# Allegro board DPU_PoE_A1_Oct-13.brd (continued)
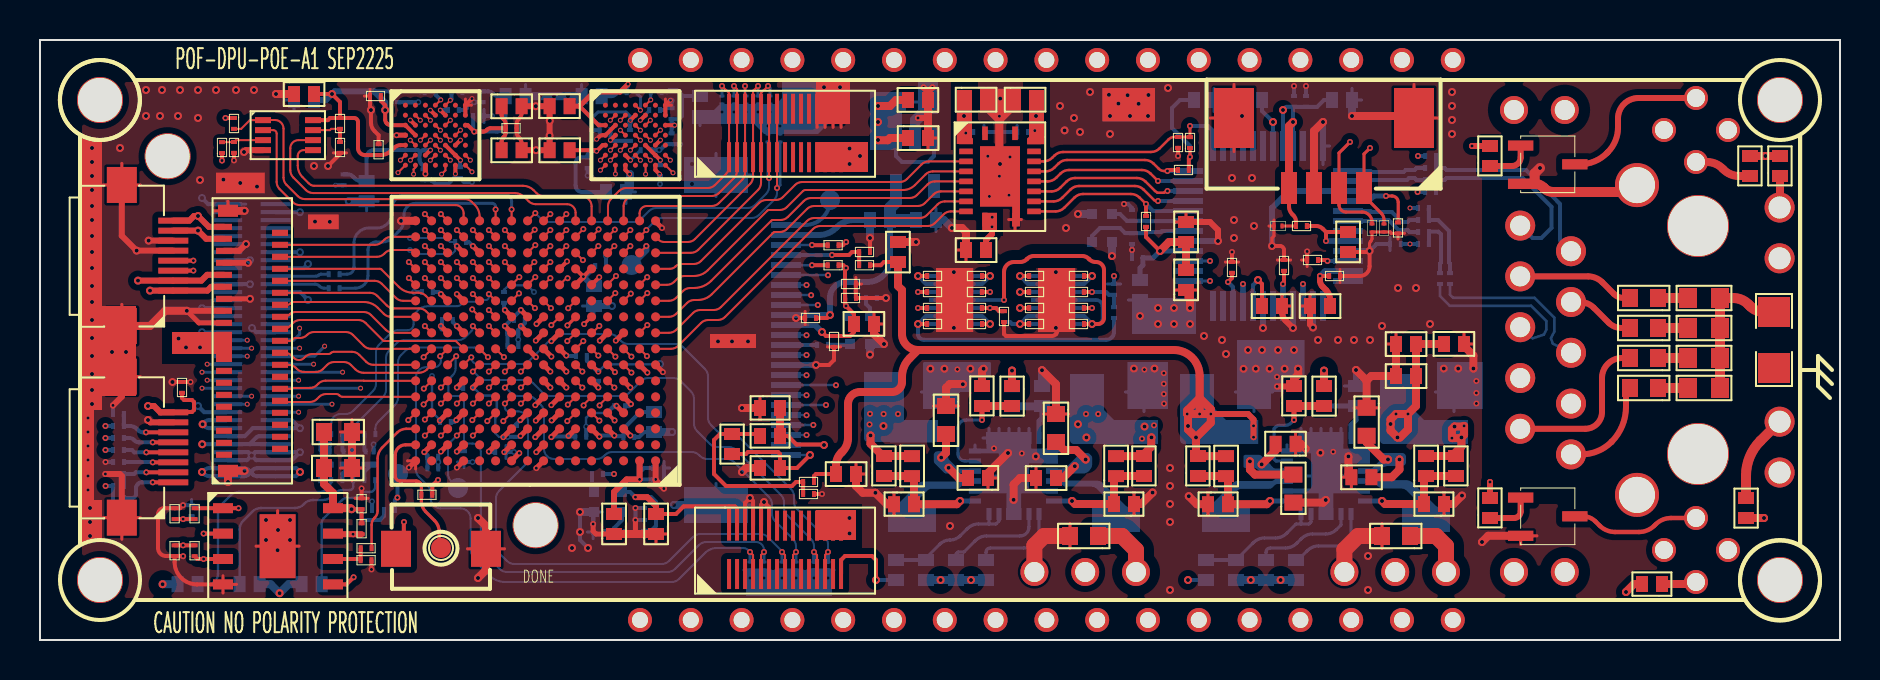
[diagram p0: board, top side]
## Routing (per net, layer and track width the routed paths; a pad name or vN(x,y) marks a point on that pad's centre or on a via; arc(x,y) is an arc through that point) (continued)
  TOP w0.102: v1(38.7,4.4) 38.85,4.25 J5.23 ; v1(21.64,13.42) U5.G12
  BOTTOM w0.102: v1(21.64,13.42) 21.68,13.42 21.95,13.15 arc(22.12,13.04) 22.31,13 24.29,13 arc(24.48,12.96) 24.65,12.85 25.15,12.35 arc(25.32,12.24) 25.51,12.2 29.09,12.2 arc(29.28,12.24) 29.45,12.35 30.05,12.95 arc(30.22,13.06) 30.41,13.1 31.67,13.1 arc(31.86,13.06) 32.03,12.95 32.55,12.43 arc(32.66,12.26) 32.7,12.07 32.7,10.81 arc(32.74,10.62) 32.85,10.45 33.5,9.8 arc(33.67,9.69) 33.86,9.65 34.44,9.65 arc(34.63,9.61) 34.8,9.5 37.05,7.25 arc(37.16,7.08) 37.2,6.89 37.2,6.61 arc(37.24,6.42) 37.35,6.25 38.55,5.05 arc(38.66,4.88) 38.7,4.69 v1(38.7,4.4)
  BOTTOM w0.2: D12.2 v1(38.7,4.4)
IO_G13: length 27.3
  TOP w0.102: U5.G13 21.55,14.13 v1(21.56,14.13) ; v1(39.4,4.4) 39.25,4.25 J5.25
  BOTTOM w0.102: v1(21.56,14.13) 21.58,14.12 21.58,14.09 arc(21.66,13.88) 21.87,13.8 24.09,13.8 arc(24.28,13.84) 24.45,13.95 25.65,15.15 arc(25.82,15.26) 26.01,15.3 28.49,15.3 arc(28.68,15.26) 28.85,15.15 29.05,14.95 arc(29.22,14.84) 29.41,14.8 31.79,14.8 arc(31.98,14.76) 32.15,14.65 33.25,13.55 arc(33.36,13.38) 33.4,13.19 33.4,11.11 arc(33.44,10.92) 33.55,10.75 33.85,10.45 arc(34.02,10.34) 34.21,10.3 34.59,10.3 arc(34.78,10.26) 34.95,10.15 37.55,7.55 arc(37.66,7.38) 37.7,7.19 37.7,6.91 arc(37.74,6.72) 37.85,6.55 39.25,5.15 arc(39.36,4.98) 39.4,4.79 v1(39.4,4.4)
  BOTTOM w0.2: D11.2 v1(39.4,4.4)
IO_G14: length 28.8
  TOP w0.102: v1(36.2,4.4) 36.05,4.25 J5.9 ; U5.G14 v1(20.81,14.19)
  BOTTOM w0.102: v1(20.81,14.19) 20.78,14.16 20.78,13.59 arc(20.74,13.4) 20.63,13.23 20.57,13.17 arc(20.46,13) 20.42,12.81 20.42,12.38 arc(20.47,12.25) 20.6,12.2 21.04,12.2 arc(21.1,12.19) 21.14,12.16 21.16,12.14 arc(21.19,12.1) 21.2,12.04 21.2,10.01 arc(21.26,9.88) 21.39,9.82 21.63,9.82 arc(21.92,9.7) 22.04,9.41 22.04,4.71 arc(22.08,4.52) 22.19,4.35 22.99,3.55 arc(23.16,3.44) 23.35,3.4 31.39,3.4 arc(31.58,3.44) 31.75,3.55 32.95,4.75 arc(33.12,4.86) 33.31,4.9 35.8,4.9 arc(36.08,4.78) 36.2,4.5 v1(36.2,4.4)
  BOTTOM w0.15: D15.2 v1(36.2,4.4)
IO_H14: length 30.1
  TOP w0.102: v1(20.01,14.19) U5.H14 ; J5.7 35.65,4.25 v1(35.5,4.4)
  BOTTOM w0.102: v1(35.5,4.4) 35.39,4.51 arc(35.29,4.57) 35.17,4.6 33.78,4.6 arc(33.67,4.59) 33.57,4.55 33.43,4.49 arc(33.36,4.44) 33.29,4.39 31.95,3.05 arc(31.78,2.94) 31.59,2.9 23.25,2.9 arc(22.83,2.98) 22.48,3.22 21.85,3.85 arc(21.61,4.2) 21.53,4.62 21.53,6.07 arc(21.38,6.43) 21.02,6.58 20.02,6.58 arc(19.68,6.72) 19.54,7.06 19.54,7.35 arc(19.5,7.54) 19.39,7.71 18.95,8.15 arc(18.84,8.32) 18.8,8.51 18.8,13.13 arc(18.95,13.49) 19.31,13.64 19.73,13.64 arc(19.95,13.73) 20.04,13.95 20.04,14.16 v1(20.01,14.19)
  BOTTOM w0.15: D16.2 v1(35.5,4.4)
IO_LED_1: length 13.1
  TOP w0.102: v1(22.44,17.3) U5.L11
  BOTTOM w0.102: v1(22.44,17.3) 22.44,17.14 arc(22.4,17.04) 22.3,17 22.1,17 arc(21.95,16.94) 21.79,16.91 21.35,16.91 arc(21.21,16.89) 21.1,16.81 21.08,16.79 arc(20.97,16.72) 20.83,16.69 19.4,16.69 arc(18.89,16.48) 18.68,15.97 18.68,15.79 arc(18.59,15.58) 18.38,15.49 17.89,15.49 arc(17.7,15.45) 17.53,15.34 16.95,14.76 arc(16.84,14.59) 16.8,14.4 16.8,12.81 arc(16.76,12.62) 16.65,12.45 15.65,11.45 arc(15.48,11.34) 15.29,11.3 15.02,11.3 arc(14.7,11.17) 14.56,10.84 R70.1
IO_LED_2: length 10.1
  TOP w0.102: U5.J12 v1(21.64,15.7)
  BOTTOM w0.102: R69.1 15.66,10.49 arc(15.7,10.65) 15.79,10.79 17.15,12.15 arc(17.26,12.32) 17.3,12.51 17.3,14.1 arc(17.34,14.29) 17.45,14.46 17.83,14.84 arc(18,14.95) 18.19,14.99 18.91,14.99 18.91,14.99 20.9,14.99 arc(21.09,15.03) 21.26,15.14 21.59,15.47 arc(21.63,15.53) 21.64,15.6 v1(21.64,15.7)
IO_LED_3: length 9.7
  TOP w0.102: v1(22.39,14.14) U5.H12
  BOTTOM w0.102: R68.1 16.77,10.55 arc(16.8,10.75) 16.91,10.91 17.75,11.75 arc(17.86,11.92) 17.9,12.11 17.9,13.88 arc(17.94,14.08) 18.05,14.24 18.3,14.5 arc(18.49,14.59) 18.7,14.62 21.71,14.62 arc(21.9,14.58) 22.07,14.47 v1(22.39,14.14)
IO_P1: length 12.3
  TOP w0.102: U5.P1 32.55,19.36 arc(32.74,19.4) 32.91,19.51 35.9,22.5 arc(36.01,22.67) 36.05,22.86 J1.9 J1.10 36.05,27.35 v1(36.4,27.7)
  BOTTOM w0.15: v1(36.4,27.7) 36.5,27.6 D4.2
IO_R1: length 11.5
  TOP w0.102: 30.78,20.16 30.92,20.02 arc(31.05,19.93) 31.21,19.9 32.39,19.9 arc(32.58,19.94) 32.75,20.05 35.5,22.8 arc(35.61,22.97) 35.65,23.16 J1.7 J1.8 35.65,27.45 v1(35.9,27.7)
  BOTTOM w0.15: D5.2 v1(35.9,27.7)
IO_R2: length 14.5
  TOP w0.102: v1(36.85,22.6) J1.13 J1.14 ; v1(30.32,20.5) 29.98,20.16
  BOTTOM w0.102: v1(36.85,22.6) 36.85,22.36 arc(36.81,22.17) 36.7,22 35.95,21.25 arc(35.78,21.14) 35.59,21.1 31.11,21.1 arc(30.92,21.06) 30.75,20.95 30.32,20.52 v1(30.32,20.5)
  BOTTOM w0.15: D9.2 37,22.75 v1(36.85,22.6)
  BOTTOM w0.2: 30.32,20.46 v1(30.32,20.5)
IO_T2: length 11.5
  TOP w0.102: v1(35.25,27.7) J1.6 J1.5 35.25,23.36 arc(35.21,23.17) 35.1,23 33.95,21.85 arc(33.78,21.74) 33.59,21.7 30.34,21.7 arc(30.09,21.59) 29.98,21.34 U5.T2
  TOP w0.12: 29.98,20.92 U5.T2
  BOTTOM w0.15: D6.2 35.25,27.25 v1(35.25,27.7)
IO_T3: length 12.1
  TOP w0.102: U5.T3 29.18,21.69 arc(29.33,22.05) 29.69,22.2 33.59,22.2 arc(33.78,22.24) 33.95,22.35 34.7,23.1 arc(34.81,23.27) 34.85,23.46 J1.3 J1.4 34.85,27.55 v1(34.7,27.7)
  TOP w0.12: 29.18,20.92 U5.T3
  BOTTOM w0.15: D7.2 v1(34.7,27.7)
IO_T4: length 12.5
  TOP w0.102: v1(34.1,27.7) 34.45,27.35 J1.2 J1.1 34.45,23.66 arc(34.41,23.47) 34.3,23.3 33.75,22.75 arc(33.58,22.64) 33.39,22.6 29.31,22.6 arc(29.12,22.56) 28.95,22.45 28.55,22.05 arc(28.44,21.88) 28.4,21.69 28.4,20.98 U5.T4
  TOP w0.12: 28.38,20.92 U5.T4
  BOTTOM w0.15: D8.2 v1(34.1,27.7)
IO_T9: length 18.9
  TOP w0.102: v1(24.77,21.34) U5.T9 ; v1(36.45,23.1) J1.11 J1.12
  BOTTOM w0.102: v1(24.77,21.34) 25.06,21.05 arc(25.23,20.94) 25.42,20.9 29.69,20.9 arc(29.88,20.94) 30.05,21.05 30.45,21.45 arc(30.62,21.56) 30.81,21.6 35.39,21.6 arc(35.58,21.64) 35.75,21.75 36.3,22.3 arc(36.41,22.47) 36.45,22.66 v1(36.45,23.1)
  BOTTOM w0.15: D10.2 36.4,23.15 v1(36.45,23.1)
IR_1V8: length 62.4
  TOP w0.2: C23.2 v3(49,18.2)
  VCC-4 w0.3: v3(8.11,9.79) 10.09,9.79 arc(10.39,9.73) 10.63,9.57 10.68,9.52 arc(10.92,9.36) 11.22,9.3 14.18,9.3 arc(14.75,9.19) 15.24,8.86 16.36,7.74 arc(16.69,7.25) 16.8,6.68 16.8,6.32 arc(16.91,5.75) 17.24,5.26 18.66,3.84 arc(19.15,3.51) 19.72,3.4 29.91,3.4 arc(30.48,3.51) 30.97,3.84 32.79,5.66 arc(33.27,5.99) 33.85,6.1 36.88,6.1 arc(37.45,6.21) 37.94,6.54 39.96,8.56 arc(40.29,9.05) 40.4,9.62 40.4,10.98 arc(40.51,11.55) 40.84,12.04 43.06,14.26 arc(43.55,14.59) 44.12,14.7 49.3,14.7 arc(49.72,14.88) 49.9,15.3 U9.13 arc(49.78,18.08) 49.5,18.2 v3(49,18.2)
  BOTTOM w0.2: 10.48,9.79 J8.10 ; 10.48,9.79 J8.9 v3(8.11,9.79) ; 10.48,9.79 10.82,10.13 arc(10.89,10.17) 10.96,10.19 J8.12 ; U9.14 v3(49,18.2) 49.4,17.8 U9.13
IR_1V8_EN: length 3.1
  TOP w0.2: R16.2 v1(52.6,17.4)
  BOTTOM w0.2: R61.2 C105.2 53.44,17.26 53.3,17.4 v1(52.6,17.4) U9.3
IR_3V3: length 69.4
  TOP w0.2: C38.2 v3(43.9,15.8)
  VCC-4 w0.3: v3(8.13,10.79) 10.76,10.79 arc(10.99,10.74) 11.18,10.62 11.23,10.57 arc(11.42,10.45) 11.65,10.4 15.38,10.4 arc(15.95,10.29) 16.44,9.96 19.26,7.14 arc(19.75,6.81) 20.32,6.7 21.38,6.7 arc(21.95,6.81) 22.44,7.14 23.06,7.76 arc(23.55,8.09) 24.12,8.2 25.68,8.2 arc(26.25,8.31) 26.74,8.64 26.96,8.86 arc(27.45,9.19) 28.02,9.3 35.4,9.3 arc(36.46,9.74) 36.9,10.8 36.9,19.9 arc(37.19,20.61) 37.9,20.9 42.1,20.9 arc(42.49,20.74) 42.65,20.35 42.65,18.44 arc(42.7,18.17) 42.85,17.95 42.9,17.9 arc(43.05,17.68) 43.1,17.41 43.1,16.2 arc(43.22,15.92) 43.5,15.8 v3(43.9,15.8)
  BOTTOM w0.2: R61.1 53.7,15.4 arc(53.59,15.12) 53.31,15.01 44.19,15.01 arc(43.98,15.09) 43.9,15.3 v3(43.9,15.8) ; U10.9 44.3,16.2 v3(43.9,15.8) ; J8.13 8.45,10.59 arc(8.34,10.61) 8.24,10.68 v3(8.13,10.79) 8.24,10.9 arc(8.34,10.97) 8.45,10.99 J8.15 ; U10.8 v3(43.9,15.8)
IR_3V3_EN: length 2.8
  TOP w0.2: R18.2 v1(47.5,16.6) 47.8,16.6 47.96,16.44 C35.2
  BOTTOM w0.2: C35.2 47.96,16.44 47.8,16.6 v1(47.5,16.6) U10.5
IR_5V0: length 68.2
  TOP w0.2: C40.2 v3(49,15.8)
  SIG-3 w0.4: v3(49,15.8) 49,15.2 arc(48.85,14.85) 48.5,14.7 44.83,14.7 arc(44.06,14.55) 43.41,14.11 43.35,14.05 arc(43.08,13.4) 43.35,12.75 43.85,12.25 arc(44.18,11.75) 44.3,11.17 44.3,10.5 arc(43.77,9.23) 42.5,8.7 41.71,8.7 arc(41.05,8.57) 40.5,8.2 39.99,7.69 arc(39.34,7.25) 38.57,7.1 34.33,7.1 arc(33.56,6.95) 32.91,6.51 31.79,5.39 arc(31.14,4.95) 30.37,4.8 29.4,4.8 arc(28.83,5.03) 28.6,5.6 28.6,5.75 arc(27.91,7.41) 26.25,8.1 24.63,8.1 arc(23.86,7.95) 23.21,7.51 21.09,5.39 arc(20.44,4.95) 19.67,4.8 18.53,4.8 arc(17.11,5.39) 16.52,6.81 16.52,7.07 arc(16.13,8.01) 15.19,8.4 v3(13,8.4) v3(8.1,8.4)
  BOTTOM w0.2: R62.1 48.5,15.9 48.6,15.8 v3(49,15.8) ; 10.53,8.39 10.42,8.5 arc(10.32,8.57) 10.21,8.59 J8.3 8.45,8.59 arc(8.34,8.57) 8.24,8.5 8.14,8.4 8.12,8.4 ; 10.53,8.39 10.64,8.28 arc(10.74,8.21) 10.85,8.19 J8.2 12.79,8.19 v3(13,8.4) 12.81,8.59 J8.4 10.85,8.59 arc(10.74,8.57) 10.64,8.5 10.53,8.39 ; 10.53,8.39 10.42,8.28 arc(10.32,8.21) 10.21,8.19 J8.1 8.45,8.19 arc(8.34,8.21) 8.24,8.28 8.12,8.4 ; 8.12,8.4 v3(8.1,8.4) ; v3(49,15.8) U9.8 ; v3(49,15.8) 49.4,16.2 U9.9
IR_D0: length 14.4
  TOP w0.102: v1(19.18,11.78) 19.56,12.16 U5.E15
  SIG-3 w0.102: v2(12.93,11.39) 12.93,10.93 arc(12.95,10.85) 12.99,10.78 13,10.77 arc(13.11,10.73) 13.21,10.77 13.22,10.78 arc(13.26,10.85) 13.28,10.93 13.41,11.06 13.53,11.06 13.63,10.96 13.63,10.84 arc(13.66,10.77) 13.73,10.74 13.93,10.74 arc(14,10.77) 14.03,10.84 14.03,10.95 arc(14.05,11.03) 14.09,11.1 14.21,11.1 14.38,10.93 14.38,10.84 arc(14.41,10.77) 14.48,10.74 14.68,10.74 arc(14.75,10.77) 14.78,10.84 14.78,11.09 14.8,11.11 15.01,11.11 15.08,11.04 15.08,10.93 arc(15.1,10.85) 15.14,10.78 15.18,10.74 arc(15.28,10.7) 15.38,10.74 15.4,10.76 arc(15.46,10.85) 15.48,10.95 15.48,11.09 15.5,11.11 15.78,11.11 15.83,11.06 15.83,10.79 15.9,10.72 16.11,10.72 16.35,10.96 16.42,10.96 16.53,10.85 16.53,10.81 16.6,10.74 16.93,10.74 arc(17.04,10.78) 17.08,10.89 17.08,11.11 17.11,11.25 17.23,11.37 17.35,11.37 17.48,11.24 arc(17.58,11.2) 17.68,11.24 17.75,11.31 arc(17.79,11.41) 17.75,11.52 17.65,11.62 arc(17.62,11.69) 17.65,11.76 17.98,12.09 arc(18.09,12.16) 18.22,12.19 18.23,12.19 arc(18.34,12.15) 18.38,12.04 18.38,11.79 18.45,11.72 18.63,11.72 arc(18.7,11.75) 18.73,11.82 18.73,12.04 arc(18.77,12.15) 18.88,12.19 19.45,12.19 arc(19.57,12.17) 19.67,12.1 arc(19.74,11.94) 19.67,11.78 19.58,11.69 arc(19.5,11.64) 19.4,11.62 19.34,11.62 v1(19.18,11.78)
  BOTTOM w0.15: J8.18 v2(12.93,11.39)
IR_D1: length 15.1
  TOP w0.102: v1(21.64,11.82) U5.E12
  SIG-3 w0.102: v2(10.36,11.79) 10.58,11.79 arc(10.83,11.69) 10.93,11.44 10.93,10.61 arc(11.08,10.25) 11.44,10.1 17.89,10.1 arc(18.08,10.14) 18.25,10.25 18.45,10.45 arc(18.62,10.56) 18.81,10.6 21,10.6 arc(21.21,10.69) 21.3,10.9 21.3,11.27 arc(21.34,11.46) 21.45,11.63 v1(21.64,11.82)
  BOTTOM w0.15: J8.19 v2(10.36,11.79)
IR_D2: length 15.3
  TOP w0.102: v1(24.04,12.62) U5.F9
  SIG-3 w0.102: v1(24.04,12.62) 24.04,12.6 23.72,12.27 arc(23.58,12.21) 23.44,12.19 22.98,12.19 arc(22.87,12.15) 22.83,12.04 22.83,11.62 arc(22.81,11.5) 22.74,11.4 22.73,11.39 arc(22.45,11.28) 22.18,11.39 22.12,11.45 arc(22.09,11.49) 22.08,11.55 22.08,11.89 arc(21.99,12.1) 21.78,12.19 20.58,12.19 arc(20.47,12.23) 20.43,12.34 20.43,12.79 arc(20.37,12.94) 20.22,13 18.14,13 arc(17.86,12.95) 17.63,12.79 16.78,11.94 arc(16.61,11.83) 16.42,11.79 v2(14.6,11.79)
  BOTTOM w0.15: J8.20 v2(14.6,11.79)
IR_D3: length 15
  TOP w0.102: v1(20.84,11.82) U5.E13
  SIG-3 w0.102: v1(20.84,11.82) 20.57,11.55 arc(20.4,11.44) 20.21,11.4 18.51,11.4 arc(18.32,11.36) 18.15,11.25 17.45,10.55 arc(17.28,10.44) 17.09,10.4 12.59,10.4 arc(12.3,10.52) 12.18,10.81 12.18,11.03 arc(12.12,11.18) 11.97,11.24 11.94,11.24 arc(11.79,11.18) 11.73,11.03 11.73,10.7 arc(11.67,10.55) 11.52,10.49 11.49,10.49 arc(11.34,10.55) 11.28,10.7 11.28,11.69 arc(11.13,12.04) 10.78,12.19 v2(10.58,12.19)
  BOTTOM w0.15: J8.21 v2(10.58,12.19)
IR_D4: length 14.9
  TOP w0.102: U5.G10 v1(23.24,13.42)
  SIG-3 w0.102: v2(12.93,12.19) 13.83,12.19 arc(13.97,12.22) 14.09,12.3 14.13,12.34 arc(14.21,12.37) 14.29,12.34 14.44,12.19 14.59,12.19 14.74,12.34 arc(14.82,12.37) 14.9,12.34 15.05,12.19 arc(15.13,12.16) 15.2,12.19 15.35,12.34 arc(15.43,12.37) 15.51,12.34 15.66,12.19 15.81,12.09 16.13,12.09 16.28,12.19 16.3,12.21 16.43,12.21 16.48,12.17 16.58,12.17 16.69,12.28 16.69,12.38 16.65,12.43 16.65,12.5 arc(16.66,12.55) 16.68,12.59 16.7,12.61 arc(16.74,12.64) 16.79,12.65 16.86,12.65 16.91,12.6 17.01,12.6 17.12,12.71 17.12,12.82 17.08,12.86 17.08,12.99 arc(17.14,13.13) 17.28,13.19 17.5,13.19 arc(17.54,13.2) 17.59,13.23 17.64,13.28 17.64,13.35 17.69,13.4 arc(17.73,13.43) 17.78,13.44 17.8,13.44 arc(17.85,13.43) 17.89,13.4 17.94,13.35 17.94,13.28 17.98,13.24 18.14,13.24 18.3,13.4 arc(18.34,13.43) 18.39,13.44 18.41,13.44 arc(18.46,13.43) 18.5,13.4 18.55,13.35 18.55,13.28 18.59,13.24 18.75,13.24 18.91,13.4 arc(18.95,13.43) 19,13.44 19.02,13.44 arc(19.07,13.43) 19.11,13.4 19.16,13.35 19.16,13.28 19.2,13.24 19.36,13.24 19.52,13.4 arc(19.56,13.43) 19.61,13.44 19.63,13.44 arc(19.68,13.43) 19.72,13.4 19.77,13.35 19.77,13.28 19.81,13.24 19.97,13.24 20.13,13.4 arc(20.17,13.43) 20.22,13.44 20.24,13.44 arc(20.29,13.43) 20.33,13.4 20.38,13.35 20.38,13.33 20.52,13.19 20.54,13.19 arc(20.59,13.2) 20.63,13.23 20.69,13.28 20.69,13.35 20.74,13.4 arc(20.78,13.43) 20.83,13.44 20.85,13.44 arc(20.9,13.43) 20.94,13.4 20.99,13.35 20.99,13.28 21.08,13.19 21.18,13.19 21.29,13.08 arc(21.38,13.02) 21.49,13 22.66,13 arc(22.85,13.04) 23,13.14 23.24,13.38 v1(23.24,13.42)
  BOTTOM w0.15: J8.22 v2(12.93,12.19)
IR_D5: length 16
  TOP w0.102: U5.F15 v1(19.19,12.57)
  SIG-3 w0.102: v1(19.19,12.57) 19.16,12.6 18.35,12.6 arc(18.06,12.54) 17.82,12.38 17.03,11.59 arc(16.84,11.46) 16.61,11.41 13.67,11.41 13.33,11.52 13.09,11.77 12.97,11.77 12.82,11.79 12.09,11.79 arc(11.9,11.83) 11.73,11.94 11.23,12.44 arc(11.06,12.55) 10.87,12.59 10.33,12.59 arc(10.12,12.5) 10.03,12.29 10.03,11.44 arc(10,11.37) 9.93,11.34 8.78,11.34 arc(8.71,11.37) 8.68,11.44 8.68,12.49 arc(8.65,12.56) 8.58,12.59 v2(8.1,12.59)
  BOTTOM w0.15: J8.23 v2(8.1,12.59)
IR_D6: length 15.4
  TOP w0.102: v1(24.04,11.82) U5.E9
  SIG-3 w0.102: v2(16.03,12.59) 16.08,12.59 17.08,13.59 arc(17.25,13.7) 17.44,13.74 23.46,13.74 arc(23.56,13.7) 23.6,13.6 23.6,13.16 arc(23.61,13.1) 23.64,13.06 23.66,13.04 arc(23.7,13.01) 23.76,13 24.2,13 arc(24.34,12.94) 24.4,12.8 24.4,12.39 arc(24.36,12.2) 24.25,12.03 v1(24.04,11.82)
  BOTTOM w0.15: J8.24 v2(16.03,12.59)
IR_D7: length 15.1
  TOP w0.102: U5.H15 19.58,14.54 v1(19.18,14.14)
  SIG-3 w0.102: v2(8.36,12.99) 8.64,12.99 arc(8.95,12.86) 9.08,12.55 9.08,11.79 9.15,11.72 9.58,11.72 arc(9.65,11.75) 9.68,11.82 9.68,12.56 arc(9.79,12.82) 10.05,12.93 11.51,12.93 arc(11.63,12.91) 11.73,12.84 11.78,12.79 arc(11.99,12.65) 12.24,12.6 15.22,12.6 arc(15.47,12.65) 15.68,12.79 16.88,13.99 arc(17.05,14.1) 17.24,14.14 v1(19.18,14.14)
  BOTTOM w0.15: J8.25 v2(8.36,12.99)
IR_D8: length 15.3
  TOP w0.102: v1(24.04,13.42) U5.G9
  SIG-3 w0.102: v2(12.93,12.99) 15.12,12.99 arc(15.31,13.03) 15.48,13.14 16.73,14.39 arc(16.9,14.5) 17.09,14.54 19.01,14.54 19.79,14.54 19.88,14.62 20.21,14.62 20.29,14.54 20.59,14.54 20.64,14.59 20.98,14.59 21.02,14.54 22.56,14.54 22.72,14.39 22.89,14.39 23.04,14.54 23.82,14.54 23.83,14.54 24.16,14.54 24.17,14.54 24.24,14.54 arc(24.43,14.47) 24.5,14.28 24.5,13.7 24.22,13.42 v1(24.04,13.42)
  BOTTOM w0.15: J8.26 v2(12.93,12.99)
IR_D9: length 15.8
  TOP w0.102: v1(19.24,15.7) U5.J15
  SIG-3 w0.102: v2(8.1,13.39) 9.13,13.39 arc(9.2,13.36) 9.23,13.29 9.23,13.14 arc(9.26,13.07) 9.33,13.04 9.41,13.04 arc(9.47,13.05) 9.52,13.08 9.53,13.1 arc(9.57,13.15) 9.58,13.2 9.58,13.24 arc(9.62,13.35) 9.73,13.39 10.32,13.39 10.47,13.24 10.62,13.24 10.7,13.32 10.7,13.41 10.78,13.49 10.93,13.49 11.08,13.34 11.34,13.34 11.39,13.39 11.88,13.39 11.98,13.29 11.98,13.09 12.13,12.94 12.43,12.94 12.53,13.04 12.53,13.29 12.64,13.4 13.45,13.4 13.59,13.27 13.77,13.27 13.89,13.39 14.37,13.39 arc(14.56,13.43) 14.73,13.54 16.33,15.14 arc(16.5,15.25) 16.69,15.29 17.39,15.29 arc(17.43,15.3) 17.48,15.33 17.49,15.34 arc(17.52,15.38) 17.53,15.43 17.53,15.5 arc(17.54,15.55) 17.57,15.59 17.58,15.6 arc(17.62,15.63) 17.67,15.64 17.69,15.64 arc(17.74,15.63) 17.78,15.6 17.79,15.59 arc(17.82,15.55) 17.83,15.5 17.83,15.43 arc(17.84,15.38) 17.87,15.34 17.88,15.33 arc(17.93,15.3) 17.97,15.29 18.84,15.29 v1(19.24,15.7)
  BOTTOM w0.15: J8.27 v2(8.1,13.39)
IR_D10: length 15.5
  TOP w0.102: v1(25.57,15.74) 25.98,16.16
  SIG-3 w0.102: v2(15.13,13.39) 16.48,14.74 arc(16.64,14.85) 16.84,14.89 19.22,14.89 arc(19.27,14.9) 19.32,14.93 19.34,14.95 arc(19.38,14.98) 19.44,14.99 22.51,14.99 arc(22.57,14.98) 22.63,14.94 22.64,14.93 arc(22.7,14.89) 22.77,14.88 23.8,14.88 arc(24,14.91) 24.16,15.02 24.33,15.19 arc(24.5,15.3) 24.69,15.34 25.34,15.34 25.57,15.56 v1(25.57,15.74)
  BOTTOM w0.15: J8.28 v2(15.13,13.39)
IR_D11: length 15.8
  TOP w0.102: 21.98,16.16 v1(21.61,16.53)
  SIG-3 w0.102: v1(21.61,16.53) 21.57,16.49 16.89,16.49 arc(16.7,16.45) 16.53,16.34 14.53,14.34 arc(14.36,14.23) 14.17,14.19 13.62,14.19 arc(13.58,14.18) 13.55,14.16 13.33,13.94 arc(13.16,13.83) 12.97,13.79 v2(8.36,13.79)
  BOTTOM w0.15: J8.29 v2(8.36,13.79)
IR_D12: length 15.3
  TOP w0.102: v1(22.44,15.7) U5.J11
  SIG-3 w0.102: v1(22.44,15.7) 22.44,15.66 22.8,15.3 23.52,15.3 23.62,15.39 arc(23.68,15.48) 23.7,15.59 23.7,15.87 arc(23.65,15.99) 23.53,16.04 16.99,16.04 arc(16.8,16) 16.63,15.89 14.68,13.94 arc(14.51,13.83) 14.32,13.79 v2(13.68,13.79)
  BOTTOM w0.15: J8.30 v2(13.68,13.79)
IR_D13: length 15.1
  TOP w0.102: v1(21.64,17.3) U5.L12
  SIG-3 w0.102: v2(10.36,14.19) 12.92,14.19 arc(13.11,14.23) 13.28,14.34 14.08,15.14 arc(14.19,15.31) 14.23,15.5 14.23,16.33 arc(14.42,16.8) 14.89,16.99 arc(15.02,16.97) 15.12,16.9 arc(15.36,16.8) 15.59,16.9 15.83,17.14 arc(16.01,17.26) 16.21,17.3 19.04,17.3 arc(19.23,17.34) 19.38,17.44 19.48,17.54 arc(19.65,17.65) 19.84,17.69 21.25,17.69 v1(21.64,17.3)
  BOTTOM w0.15: J8.31 v2(10.36,14.19)
IR_D14: length 15.1
  TOP w0.102: 22.78,16.16 v1(22.44,16.5)
  SIG-3 w0.102: v2(14.23,14.69) 14.93,15.39 14.93,15.51 14.6,15.84 14.6,15.96 14.69,16.05 14.82,16.05 15.14,15.73 15.27,15.73 15.36,15.82 15.36,15.94 15.03,16.27 15.03,16.39 15.12,16.48 15.25,16.48 15.57,16.16 15.7,16.16 16.53,16.99 16.68,16.99 16.83,16.84 16.99,16.84 17.14,16.99 17.29,16.99 17.44,16.84 17.6,16.84 17.75,16.99 17.9,16.99 18.05,16.84 18.21,16.84 18.36,16.99 18.51,16.99 18.66,16.84 18.82,16.84 18.97,16.99 19.12,16.99 19.21,16.9 22.04,16.9 v1(22.44,16.5)
  BOTTOM w0.15: v2(14.23,14.69) 13.73,14.19 J8.32
IR_D15: length 15.1
  TOP w0.102: U5.M16 v1(18.44,18.1)
  SIG-3 w0.102: v1(18.44,18.1) 18.44,18.1 15.07,18.1 arc(14.93,18.13) 14.81,18.21 14.23,18.79 arc(14.06,18.9) 13.87,18.94 12.98,18.94 arc(12.77,18.85) 12.68,18.64 12.68,18.35 arc(12.64,18.16) 12.53,17.99 12.38,17.84 arc(12.27,17.67) 12.23,17.48 12.23,17.24 arc(12.38,16.89) 12.73,16.74 13.03,16.74 arc(13.24,16.65) 13.33,16.44 13.33,15.44 arc(13.24,15.23) 13.03,15.14 12.19,15.14 arc(12,15.1) 11.83,14.99 11.58,14.74 arc(11.41,14.63) 11.22,14.59 v2(10.58,14.59)
  BOTTOM w0.15: J8.33 v2(10.58,14.59)
IR_HSYNC: length 15.5
  TOP w0.102: v1(19.24,18.1) U5.M15
  SIG-3 w0.102: v1(19.24,18.1) 18.79,17.64 15.64,17.64 arc(15.58,17.63) 15.54,17.6 15.52,17.58 arc(15.48,17.55) 15.42,17.54 14.68,17.54 arc(14.61,17.57) 14.58,17.64 14.58,17.7 arc(14.55,17.83) 14.48,17.94 13.93,18.49 arc(13.63,18.61) 13.33,18.49 13.18,18.34 arc(13.15,18.27) 13.18,18.19 13.2,18.17 arc(13.34,18.07) 13.51,18.04 13.7,18.04 arc(13.82,18.02) 13.92,17.95 13.93,17.94 arc(13.97,17.84) 13.93,17.74 13.92,17.73 arc(13.82,17.66) 13.7,17.64 12.89,17.64 arc(12.81,17.62) 12.74,17.58 arc(12.69,17.45) 12.74,17.33 12.81,17.26 arc(12.89,17.21) 12.97,17.19 13.83,17.19 arc(13.9,17.16) 13.93,17.09 13.93,17.03 arc(13.9,16.9) 13.83,16.79 13.81,16.77 arc(13.73,16.66) 13.71,16.52 13.71,15.59 arc(13.65,15.29) 13.48,15.04 13.03,14.59 v2(12.98,14.59)
  BOTTOM w0.15: J8.34 v2(12.98,14.59)
IR_PCLK: length 15.2
  TOP w0.102: v1(20.04,18.1) U5.M14
  SIG-3 w0.102: v2(12.98,15.59) 12.98,15.89 arc(12.95,15.96) 12.88,15.99 12.18,15.99 arc(11.93,16.09) 11.83,16.34 11.83,17.64 arc(11.87,17.82) 11.97,17.98 11.99,18 arc(12.09,18.16) 12.13,18.34 12.13,19.14 arc(12.19,19.28) 12.33,19.34 14.12,19.34 arc(14.31,19.3) 14.48,19.19 15.03,18.64 arc(15.18,18.54) 15.37,18.5 19.64,18.5 v1(20.04,18.1)
  BOTTOM w0.15: J8.36 12.68,14.99 12.98,15.29 v2(12.98,15.59)
IR_PWR_EN: length 41.6
  TOP w0.102: U5.M4 28.38,17.78 v1(28.8,18.2)
  TOP w0.2: R19.2 v1(52.6,16.6)
  SIG-6 w0.102: v1(52.6,16.6) 52.09,16.6 arc(51.74,16.74) 51.6,17.09 51.6,19.19 arc(51.64,19.38) 51.75,19.55 52.55,20.35 arc(52.66,20.52) 52.7,20.71 52.7,25.89 arc(52.66,26.08) 52.55,26.25 51.85,26.95 arc(51.37,27.27) 50.81,27.38 49.59,27.38 arc(48.87,27.08) 48.57,26.36 48.57,25.61 arc(48.56,25.57) 48.54,25.54 48.25,25.25 arc(48.08,25.14) 47.89,25.1 47.41,25.1 arc(47.22,25.06) 47.05,24.95 45.95,23.85 arc(45.84,23.68) 45.8,23.49 45.8,23.01 arc(45.76,22.82) 45.65,22.65 44.65,21.65 arc(44.48,21.54) 44.29,21.5 37.71,21.5 arc(37.52,21.46) 37.35,21.35 36.75,20.75 arc(36.58,20.64) 36.39,20.6 35.01,20.6 arc(34.82,20.56) 34.65,20.45 34.15,19.95 arc(33.98,19.84) 33.79,19.8 33.01,19.8 arc(32.82,19.76) 32.65,19.65 31.75,18.75 arc(31.58,18.64) 31.39,18.6 30.21,18.6 arc(30.02,18.56) 29.85,18.45 29.75,18.35 arc(29.58,18.24) 29.39,18.2 v1(28.8,18.2)
  BOTTOM w0.2: U9.5 v1(52.6,16.6)
IR_UART_RX: length 11.7
  TOP w0.102: v1(22.78,21.53) U5.T11
  BOTTOM w0.15: 22.78,21.49 v1(22.78,21.53) 22.78,21.67 arc(22.73,21.78) 22.62,21.83 18.76,21.83 arc(18.36,21.67) 18.2,21.27 18.2,21.01 arc(18.14,20.72) 17.98,20.48 17.6,20.1 arc(17.38,19.95) 17.11,19.9 16.8,19.9 arc(16.52,19.78) 16.4,19.5 16.4,18.22 arc(16.22,17.77) 15.77,17.59 R58.1
IR_UART_TX: length 12.7
  TOP w0.102: v1(23.58,21.53) U5.T10
  BOTTOM w0.15: v1(23.58,21.53) 23.58,21.92 arc(23.47,22.18) 23.21,22.29 18.35,22.29 arc(17.82,22.07) 17.6,21.54 17.6,21.35 arc(17.38,20.82) 16.85,20.6 16.45,20.6 arc(15.92,20.38) 15.7,19.85 15.7,18.63 arc(15.6,18.39) 15.36,18.29 R57.1
IR_VSYNC: length 15.1
  TOP w0.102: U5.N16 v1(18.44,18.9)
  SIG-3 w0.102: v1(18.44,18.9) 15.43,18.9 arc(15.29,18.92) 15.16,19.01 14.83,19.34 arc(14.72,19.51) 14.68,19.7 14.68,19.99 arc(14.61,20.17) 14.43,20.24 11.65,20.24 arc(11.53,20.19) 11.48,20.07 11.48,18.3 arc(11.44,18.11) 11.33,17.94 11.28,17.89 arc(11.17,17.72) 11.13,17.53 11.13,15.49 arc(10.98,15.14) 10.63,14.99 v2(10.36,14.99)
  BOTTOM w0.15: J8.35 v2(10.36,14.99)
JTAG_EN: length 27.4
  TOP w0.102: U5.D10 v1(23.16,10.94)
  TOP w0.2: J4.6 v1(5.3,10.38)
  SIG-6 w0.102: v1(5.3,10.38) 5.97,10.38 arc(6.17,10.42) 6.33,10.53 6.95,11.15 arc(7.34,11.41) 7.79,11.5 8.33,11.5 arc(8.73,11.67) 8.9,12.07 8.9,12.29 arc(8.94,12.48) 9.05,12.65 10.05,13.65 arc(10.22,13.76) 10.41,13.8 10.79,13.8 arc(10.98,13.84) 11.15,13.95 12.25,15.05 arc(12.42,15.16) 12.61,15.2 21.69,15.2 arc(22.11,15.12) 22.47,14.87 arc(22.72,14.51) 22.8,14.09 22.8,11.3 arc(22.9,11.05) 23.16,10.94 v1(23.16,10.94)
  BOTTOM w0.2: v1(5.3,10.38) 5.14,10.38 arc(5.03,10.41) 4.93,10.47 4.84,10.56 arc(4.68,10.66) 4.5,10.7 R67.2 R66.2
LD_3V3: length 2.4
  TOP w0.2: C21.2 v3(43.9,18.2)
  BOTTOM w0.2: U10.14 v3(43.9,18.2) 44.3,17.8 U10.13
LD_3V3_EN: length 1.3
  TOP w0.2: R15.2 v1(47.5,17.4)
  BOTTOM w0.2: U10.3 v1(47.5,17.4)
LINKLED: length 34.8
  SIG-6 w0.15: U11.14 85.42,9.94 arc(85.26,10.18) 85.2,10.47 85.2,11.19 arc(85.14,11.48) 84.98,11.72 83.83,12.87 arc(83.59,13.03) 83.3,13.09 76.23,13.09 arc(75.94,13.15) 75.7,13.31 74.86,14.15 arc(74.62,14.31) 74.33,14.37 73.04,14.37 arc(72.75,14.43) 72.51,14.59 70.92,16.18 arc(70.68,16.34) 70.39,16.4 58.9,16.4 arc(58.62,16.52) 58.5,16.8 v1(58.5,17.95)
  BOTTOM w0.15: U8.25 v1(58.5,17.95)
MCLK: length 7.2
  TOP w0.125: R44.1 16.58,5.76 arc(16.62,5.94) 16.72,6.1 16.74,6.12 arc(16.84,6.28) 16.88,6.46 16.88,9.08 arc(16.94,9.37) 17.1,9.61 17.87,10.38 arc(18.07,10.51) 18.31,10.56 U5.C16
MCSN: length 14.1
  TOP w0.102: v1(19.24,10.22) U5.C15
  TOP w0.2: v1(9.93,6.59) U6.1 R42.1
  SIG-6 w0.102: v1(19.24,10.22) 19.1,10.37 arc(18.95,10.47) 18.78,10.5 16.62,10.5 arc(16.24,10.34) 16.08,9.96 16.08,9.5 arc(16.02,9.2) 15.85,8.95 14.07,7.17 arc(13.66,6.9) 13.18,6.8 10.28,6.8 arc(10.15,6.77) 10.04,6.7 v1(9.93,6.59)
MD0: length 11.7
  TOP w0.102: v1(20.04,10.22) U5.C14
  TOP w0.2: U6.5 15.32,2.78 v1(15.68,3.14)
  SIG-6 w0.102: v1(20.04,10.22) 20.04,9.04 arc(19.91,8.73) 19.6,8.6 17.89,8.6 arc(17.39,8.39) 17.18,7.89 17.18,4.85 arc(17.14,4.65) 17.03,4.49 v1(15.68,3.14)
MD1: length 15
  TOP w0.102: v1(18.41,10.99) U5.D16
  TOP w0.2: U6.2 v1(8.18,5.32)
  SIG-6 w0.102: v1(18.41,10.99) 18.38,10.95 15.81,10.95 arc(15.61,10.92) 15.45,10.81 15.31,10.67 arc(15.2,10.5) 15.16,10.31 15.16,9.84 arc(15.11,9.56) 14.95,9.33 14.58,8.96 arc(14.56,8.93) 14.55,8.89 14.55,8.89 arc(14.46,8.4) 14.18,7.99 13.73,7.54 arc(13.35,7.29) 12.91,7.2 10.01,7.2 arc(9.82,7.16) 9.65,7.05 8.12,5.52 arc(8.09,5.45) 8.12,5.38 v1(8.18,5.32)
MD2: length 18.8
  TOP w0.102: v1(19.24,11.02) U5.D15
  TOP w0.2: U6.3 v1(8.18,4.05) 7.87,4.05 R45.1
  SIG-6 w0.102: v1(19.24,11.02) 18.67,11.59 arc(18.34,11.73) 18,11.59 17.86,11.45 arc(17.69,11.34) 17.5,11.3 15.51,11.3 arc(15.32,11.26) 15.15,11.15 13.88,9.88 arc(13.77,9.71) 13.73,9.52 13.73,8.66 arc(13.42,7.91) 12.67,7.6 9.71,7.6 arc(9.52,7.56) 9.35,7.45 7.87,5.97 arc(7.76,5.8) 7.72,5.61 7.72,4.72 arc(7.76,4.53) 7.87,4.36 v1(8.18,4.05)
